# Altium PCB DAC_Sources_REV2.PcbDoc (part 8 of 9)
Units mil, origin at the board's own origin, x right, y up, seen from the top; angles counter-clockwise.
Board outline 10905.51 x 5393.7 mil, 8 copper layers (Top Layer, GND_02, SIG_03, PWR_04, PWR_05, SIG_06, GND_07, Bottom Layer), stack 65.69 mil thick; 663 components, 464 nets, 2338 pads, 2140 vias.
Unrouted connection lines stored in the file: 515.
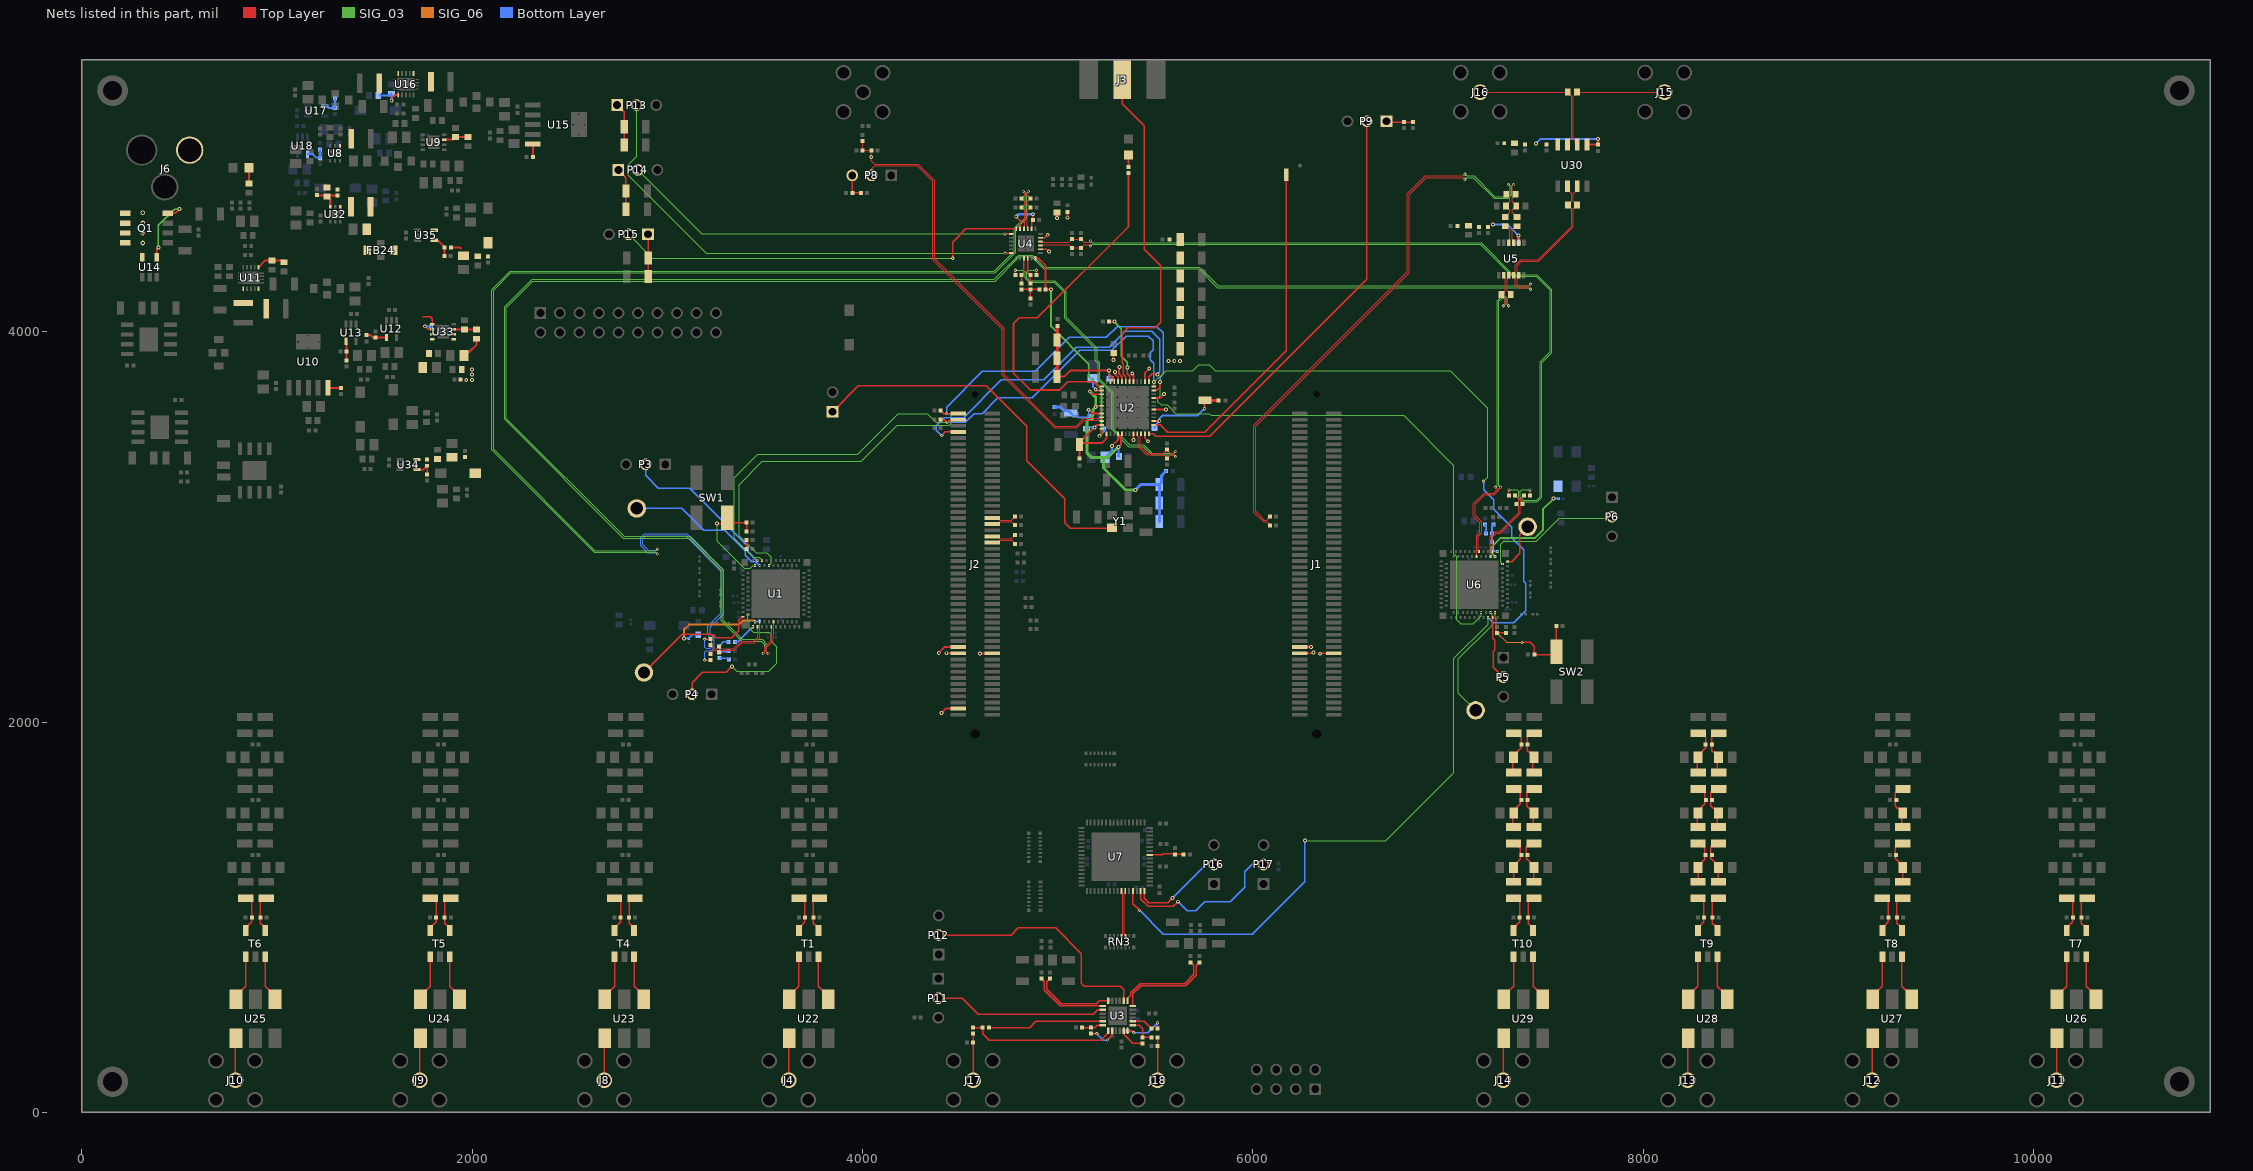
[diagram p14: the nets of this part, all layers, seen from the top]

## Via types
v1: diameter 16, hole 8, Top Layer to Bottom Layer, tented both sides, 1452 vias
v2: diameter 20, hole 10, Top Layer to Bottom Layer, tented both sides, 509 vias
v3: diameter 10, hole 6, Top Layer to Bottom Layer, tented both sides, 65 vias
v4: diameter 23.62, hole 11.81, Top Layer to Bottom Layer, tented top, 59 vias
v5: diameter 24, hole 12, Top Layer to Bottom Layer, tented top, 34 vias
v6: diameter 24, hole 12, Top Layer to Bottom Layer, tented both sides, 15 vias
v7: diameter 23.62, hole 11.81, Top Layer to Bottom Layer, tented both sides, 4 vias
v8: diameter 78.74, hole 39.37, Top Layer to Bottom Layer, tented both sides, 2 vias

## Nets (pads, with @x,y where several pads share a name; then routed paths per layer and width w, separated by ;. In a path a pad name is that pad's centre, name@x,y a point inside that pad or via, vN(x,y) a via of type N, cw(c..) or ccw(c..) an arc to the next point about the centre after c; other vN are vias at no path point) (continued)
NetC179_2: C179.2 C182.2 L51.2 L52.1 | length 236.8
  Top Layer w7.5: L52.1@9325.83,1462 9325.83,1534.57 9325.39,1535 9325.39,1540.91 9306.51,1559.79 9303.2,1559.79 9292.32,1570.67 9292.32,1641.75 9308.57,1658 L51.2@9326.83,1658
NetC180_2: C180.2 C183.2 L52.2 L53.1 | length 236.5
  Top Layer w7.5: L52.2@9325.83,1378 9308.18,1378 9291.93,1361.75 9291.93,1302.17 9311.51,1282.59 9311.51,1273.89 C183.2@9330.39,1255 9330.39,1182.43 L53.1@9330.83,1182
NetC184_2: C184.2 C187.1 L54.1 L55.2 | length 244.4
  Top Layer w7.5: C184.2@8276.38,1820 8276.94,1819.43 L55.2@8276.94,1742 ; C184.2@8281.38,1820 8300.27,1838.89 8300.27,1847.51 8320.43,1867.68 8320.43,1921.3 8317.43,1924.3 8317.43,1926.75 8301.18,1943 L54.1@8282.18,1943
NetC185_2: C185.2 C188.1 L55.1 L56.2 | length 239.9
  Top Layer w7.5: L56.2@8275.94,1462 8276.81,1462.87 8276.81,1535 8295.7,1553.89 8295.7,1562.23 8315.94,1582.48 8315.94,1635.24 8312.19,1638.99 8312.19,1641.75 8295.94,1658 L55.1@8276.94,1658
NetC186_2: C186.2 C189.1 L56.1 L57.2 | length 237.3
  Top Layer w7.5: L56.1@8275.94,1378 8294.94,1378 8311.19,1361.75 8311.19,1358.88 8315.55,1354.53 8315.55,1320 8315.55,1297.83 8300.27,1282.55 8300.27,1273.89 C186.2@8281.38,1255 L57.2@8281.38,1182.43
NetC187_2: C187.2 C190.2 L58.2 L59.1 | length 244.7
  Top Layer w7.5: C190.2@8380.51,1820 8380.51,1743.43 L59.1@8381.94,1742 ; C190.2@8385.51,1820 8385.51,1825.91 8366.62,1844.79 8360.72,1844.79 8351.93,1853.58 C187.2@8351.93,1885 8351.93,1922.36 8351.93,1926.75 8368.18,1943 L58.2@8387.18,1943
NetC188_2: C188.2 C191.2 L59.2 L60.1 | length 236.8
  Top Layer w7.5: L60.1@8380.94,1462 8380.94,1534.57 8380.51,1535 8380.51,1540.91 8361.62,1559.79 8358.32,1559.79 8347.44,1570.67 8347.44,1641.75 8363.69,1658 L59.2@8381.94,1658
NetC189_2: C189.2 C192.2 L60.2 L61.1 | length 235.9
  Top Layer w7.5: L60.2@8380.94,1378 8363.3,1378 8347.05,1361.75 8347.05,1302.17 8366.62,1282.59 8366.62,1273.89 C192.2@8385.51,1255 L61.1@8385.51,1182.43
NetC193_2: C193.2 C196.1 L62.1 L63.2 | length 244.4
  Top Layer w7.5: C193.2@7331.5,1820 7332.06,1819.43 L63.2@7332.06,1742 ; C193.2@7336.5,1820 7355.38,1838.89 7355.38,1847.51 7375.55,1867.68 7375.55,1921.3 7372.55,1924.3 7372.55,1926.75 7356.3,1943 L62.1@7337.3,1943
NetC194_2: C194.2 C197.1 L63.1 L64.2 | length 239.9
  Top Layer w7.5: L64.2@7331.06,1462 7331.93,1462.87 7331.93,1535 7350.82,1553.89 7350.82,1562.23 7371.06,1582.48 7371.06,1635.24 7367.31,1638.99 7367.31,1641.75 7351.06,1658 L63.1@7332.06,1658
NetC195_2: C195.2 C198.1 L64.1 L65.2 | length 237.9
  Top Layer w7.5: L64.1@7331.06,1378 7350.06,1378 7366.31,1361.75 7366.31,1358.88 7370.67,1354.53 7370.67,1320 7370.67,1297.83 7355.38,1282.55 7355.38,1273.89 C195.2@7336.5,1255 7336.5,1182.43 L65.2@7336.06,1182
NetC196_2: C196.2 C199.2 L66.2 L67.1 | length 244.7
  Top Layer w7.5: C199.2@7435.63,1820 7435.63,1743.43 L67.1@7437.06,1742 ; C199.2@7440.63,1820 7440.63,1825.91 7421.74,1844.79 7415.84,1844.79 7407.05,1853.58 C196.2@7407.05,1885 7407.05,1922.36 7407.05,1926.75 7423.3,1943 L66.2@7442.3,1943
NetC197_2: C197.2 C200.2 L67.2 L68.1 | length 236.8
  Top Layer w7.5: L68.1@7436.06,1462 7436.06,1534.57 7435.63,1535 7435.63,1540.91 7416.74,1559.79 7413.43,1559.79 7402.56,1570.67 7402.56,1641.75 7418.81,1658 L67.2@7437.06,1658
NetC198_2: C198.2 C201.2 L68.2 L69.1 | length 236.5
  Top Layer w7.5: L68.2@7436.06,1378 7418.42,1378 7402.17,1361.75 7402.17,1302.17 7421.74,1282.59 7421.74,1273.89 C201.2@7440.63,1255 7440.63,1182.43 L69.1@7441.06,1182
NetC210_1: C210.1 R70.1 SW1.2 U1.B30 | length 567
  Top Layer w7.5: v2(3254.72,3017.32) 3277.66,3017.32 SW1.2@3307.09,3046.75 3331.4,3022.44 R70.1@3405.91,3022.44 C210.1@3405.91,2977.56
  SIG_03 w6: v2(3254.72,3017.32) 3254.72,2927.17 3393.7,2788.19 3424.02,2788.19 3437.72,2801.89 v3(3450,2801.89)
NetC212_1: C212.1 R73.2 | length 49.2
  Bottom Layer w7.5: R73.2@3268.5,2327.95 3308.27,2327.95 C212.1@3314.96,2321.26
NetC213_1: C213.1 R73.1 R74.2 | length 135.6
  Bottom Layer w7.5: C213.1@3314.17,2366.14 C213.1@3314.57,2365.75 3308.27,2359.45 R73.1@3268.5,2359.45 3268.5,2392.52 3287.01,2411.02 R74.2@3314.17,2411.02
NetC214_1: C214.1 R75.1 SW2.2 U6.B30 | length 621.8
  Top Layer w7.5: v1(7378.74,2408.66) 7422.44,2408.66 7442.52,2388.58 R75.1@7442.52,2346.46 7542.13,2346.46 SW2.2@7556.69,2361.02 7555.51,2362.2 C214.1@7555.51,2492.52
  SIG_06 w6: v3(7241.34,2561.02) 7241.34,2531.5 7248.43,2524.41 7248.43,2460.24 7300,2408.66 v1(7378.74,2408.66)
NetC216_1: C216.1 R78.2 | length 46.7
  Bottom Layer w10: C216.1@7189.76,3012.2 7194.09,3007.87 R78.2@7194.09,2967.32
NetC217_1: C217.1 R78.1 R79.2 | length 93.6
  Bottom Layer w10: R79.2@7225.2,2922.05 7225.2,2966.93 R78.1@7225.59,2967.32 7225.59,3004.33 C217.1@7233.46,3012.2
NetC264_1: C264.1 R147.1 U7.57 | length 176.7
  Top Layer w7.5: U7.57@5472.24,1320.31 5536.46,1320.31 5540.94,1324.8 5599.61,1324.8 C264.1@5601.57,1322.83 5601.77,1322.64 5645.87,1322.64 R147.1@5646.06,1322.44
NetC267_2: C267.2 U2.4 | length 147.8
  Top Layer w9.45: v2(5278.35,3414.96) 5309.84,3446.46 U2.4@5309.84,3477.56
  Bottom Layer w10: C267.2@5242.91,3357.48 5278.35,3392.91 v2(5278.35,3414.96)
NetC268_2: C268.2 U2.38 | length 95.4
  Top Layer w9.45: v2(5195.28,3704.72) 5198.13,3704.72 5202.86,3700 U2.38@5225.2,3700
  Bottom Layer w9.45: C268.2@5180.71,3762.2 5180.71,3719.29 v2(5195.28,3704.72)
NetC274_2: C274.2 R91.2 U4.3 | length 134.7
  Top Layer w7.5: R91.2@4814.96,4248.03 C274.2@4814.96,4291.34 4827.56,4303.94 U4.3@4827.56,4377.56
NetC275_2: C275.2 R91.1 R92.1 R93.2 | length 136.8
  Top Layer w7.5: R91.1@4814.96,4216.54 4815.35,4216.93 R92.1@4906.3,4216.93 ; C275.2@4859.84,4171.26 R93.2@4859.84,4216.54
NetC276_2: C276.2 R93.1 U4.4 | length 134.7
  Top Layer w7.5: U4.4@4847.24,4377.56 4847.24,4303.94 C276.2@4859.84,4291.34 R93.1@4859.84,4248.03
NetC281_1: C281.1 U10.5 | length 66.1
  Top Layer w10: U10.5@1260.83,3713.39 1261.22,3712.99 C281.1@1326.77,3712.99
NetC282_1: C282.1 U15.5 | length 65.7
  Top Layer w10: C282.1@2311.02,4896.46 U15.5@2311.02,4962.2
NetC290_2: C290.2 C291.1 C294.2 FB26.1 R106.2 U34.5
NetC295_1: C295.1 C299.2 FB24.1 L70.2 R107.2
NetC295_2: C295.2 R107.1 R108.2 U32.3 | length 165.8
  Top Layer w12: R108.2@1204.33,4701.57 1207.48,4698.43 R107.1@1309.06,4698.43 ; C295.2@1256.3,4692.91 1272.83,4676.38 U32.3@1272.83,4639.96
NetC302_2: C302.2 C304.2 FB24.3 U33.5 U33.7@1796.06,3986.81 U33.8 | length 83
  Top Layer w7.5: 1745.67,4077.56 1784.25,4077.56 1796.06,4065.75 U33.5@1796.06,4037.99
NetC305_1: C305.1 U33.6 | length 74.3
  Top Layer w7.5: v2(1759.06,4028.35) 1775,4012.4 U33.6@1796.06,4012.4
  Bottom Layer w7.5: v2(1759.06,4028.35) v2@1759.84,4027.56
  Bottom Layer w10: v2@1759.84,4027.56 C305.1@1789.37,4027.56
NetC326_2: C326.2 C327.1 C330.2 FB27.1 R124.2 U35.5 | length 54.3
  Top Layer w10: R124.2@1890.55,4432.68 1937.01,4432.68 1942.52,4427.17
NetD1_2: D1.2 R31.2 | length 61.6
  Top Layer w7.5: D1.2@5362.6,4905.91 D1.2@5362.99,4905.51
  Top Layer w10: R31.2@5362.99,4844.49 D1.2@5362.99,4905.51
NetD2_2: D2.2 R34.1 | length 81
  Top Layer w10: D2.2@856.69,4840.94 857.48,4840.16 R34.1@857.48,4760.24
NetJ2_35: J2.35 R135.2 | length 130.1
  Top Layer w5: J2.35@4664.37,3045.94 4693.9,3045.94 4701.24,3038.6 4701.24,3037.74 4704.28,3034.7 4762.65,3034.7 R135.2@4781.5,3053.54
NetJ2_37: J2.37 R150.2 | length 129.1
  Top Layer w5: J2.37@4664.37,3014.45 4693.9,3014.45 4701.24,3021.79 4701.24,3022.5 4704.44,3025.7 4764.85,3025.7 R150.2@4781.5,3009.06
NetJ2_41: J2.41 R136.2 | length 129.8
  Top Layer w5: J2.41@4664.37,2951.46 4693.9,2951.46 4701.24,2944.11 4701.24,2943.25 4704.28,2940.21 4763.44,2940.21 R136.2@4781.5,2958.27
NetJ2_43: J2.43 R137.2 | length 129.4
  Top Layer w5: J2.43@4664.37,2919.96 4693.9,2919.96 4701.24,2927.3 4701.24,2928.01 4704.44,2931.21 4764.07,2931.21 R137.2@4781.5,2913.78
NetJ3_1: J3.1 U2.31 | length 1800.9
  Top Layer w7.5: J3.1@5331.44,5291.73 5331.44,5168.96 5444.49,5055.91 5444.49,4424.02 5529.13,4339.37 5529.13,4048.03 5500.79,4019.68 5358.66,4019.68 5331.44,3992.46 5331.44,3843.37 5337.01,3837.8 5337.01,3782.68 5349.21,3770.47 U2.31@5349.21,3745.28
NetJ4_1: J4.1 U22.1 | length 216.1
  Top Layer w7.5: J4.1@3622.05,165 3622.05,377.4 U22.1@3624.65,380
NetJ6_3: J6.3 Q1.5-6-7-8 U14.5
  other v7: 312.52,4454.96 312.52,4506.46 312.52,4557.95 312.52,4609.45
NetJ8_1: J8.1 U23.1 | length 216.1
  Top Layer w7.5: J8.1@2677.17,165 2677.17,377.4 U23.1@2679.76,380
NetJ9_1: J9.1 U24.1 | length 216.1
  Top Layer w7.5: J9.1@1732.28,165 1732.28,377.4 U24.1@1734.88,380
NetJ10_1: J10.1 U25.1 | length 216.1
  Top Layer w7.5: J10.1@787.4,165 787.4,377.4 U25.1@790,380
NetJ11_1: J11.1 U26.1 | length 216.1
  Top Layer w7.5: J11.1@10118.11,165 10118.11,377.4 U26.1@10120.71,380
NetJ12_1: J12.1 U27.1 | length 216.1
  Top Layer w7.5: J12.1@9173.23,165 9173.23,377.4 U27.1@9175.83,380
NetJ13_1: J13.1 U28.1 | length 216.1
  Top Layer w7.5: J13.1@8228.35,165 8228.35,377.4 U28.1@8230.94,380
NetJ14_1: J14.1 U29.1 | length 216.1
  Top Layer w7.5: J14.1@7283.46,165 7283.46,377.4 U29.1@7286.06,380
NetJ17_1: J17.1 R49.1 R80.1 | length 239.1
  Top Layer w7.5: R80.1@4566.54,403.94 4566.73,403.74 4566.73,165.2 J17.1@4566.93,165
NetJ18_1: J18.1 R133.1 R146.1 | length 220.4
  Top Layer w7.5: J18.1@5511.81,165 R133.1@5511.81,385.43
NetL1_1: L1.1 U8.1
NetL2_1: L2.1 U11.6
NetL3_1: L3.1 U11.10
NetL4_1: L4.1 U16.6
NetL5_1: L5.1 U16.10
NetL9_1: L9.1 R1.2 T1.2 | length 171.3
  Top Layer w7.5: T1.2@3674.65,932.52 3685.86,943.73 3685.86,957.51 3705.39,977.05 R1.2@3705.39,1000 L9.1@3705.39,1091.06
NetL13_2: L13.2 R7.1 T1.1 | length 197.7
  Top Layer w7.5: T1.1@3774.65,932.52 3774.65,945.12 3763.43,956.33 3762.96,956.33 3748.9,970.39 R7.1@3748.9,1000 3748.9,1081.75 3765.15,1098 L13.2@3779.65,1098
NetL17_1: L17.1 R10.2 T4.2 | length 171.3
  Top Layer w7.5: T4.2@2729.76,932.52 2740.97,943.73 2740.97,957.51 2760.51,977.05 R10.2@2760.51,1000 L17.1@2760.51,1091.06
NetL21_2: L21.2 R11.1 T4.1 | length 197.7
  Top Layer w7.5: T4.1@2829.76,932.52 2829.76,945.12 2818.55,956.33 2818.08,956.33 2804.02,970.39 R11.1@2804.02,1000 2804.02,1081.75 2820.27,1098 L21.2@2834.76,1098
NetL25_1: L25.1 R12.2 T5.2 | length 171.3
  Top Layer w7.5: T5.2@1784.88,932.52 1796.09,943.73 1796.09,957.51 1815.63,977.05 R12.2@1815.63,1000 L25.1@1815.63,1091.06
NetL29_2: L29.2 R59.1 T5.1 | length 197.7
  Top Layer w7.5: T5.1@1884.88,932.52 1884.88,945.12 1873.67,956.33 1873.2,956.33 1859.13,970.39 R59.1@1859.13,1000 1859.13,1081.75 1875.38,1098 L29.2@1889.88,1098
NetL33_1: L33.1 R60.2 T6.2 | length 171.3
  Top Layer w7.5: T6.2@840,932.52 851.21,943.73 851.21,957.51 870.75,977.05 R60.2@870.75,1000 L33.1@870.75,1091.06
NetL37_2: L37.2 R61.1 T6.1 | length 197.7
  Top Layer w7.5: T6.1@940,932.52 940,945.12 928.79,956.33 928.32,956.33 914.25,970.39 R61.1@914.25,1000 914.25,1081.75 930.5,1098 L37.2@945,1098
NetL41_1: L41.1 R62.2 T7.2 | length 171.3
  Top Layer w7.5: T7.2@10170.71,932.52 10181.92,943.73 10181.92,957.51 10201.46,977.05 R62.2@10201.46,1000 L41.1@10201.46,1091.06
NetL45_2: L45.2 R63.1 T7.1 | length 197.7
  Top Layer w7.5: T7.1@10270.71,932.52 10270.71,945.12 10259.5,956.33 10259.03,956.33 10244.96,970.39 R63.1@10244.96,1000 10244.96,1081.75 10261.21,1098 L45.2@10275.71,1098
NetL49_1: L49.1 R64.2 T8.2 | length 171.3
  Top Layer w7.5: T8.2@9225.83,932.52 9237.04,943.73 9237.04,957.51 9256.57,977.05 R64.2@9256.57,1000 L49.1@9256.57,1091.06
NetL53_2: L53.2 R65.1 T8.1 | length 197.7
  Top Layer w7.5: T8.1@9325.83,932.52 9325.83,945.12 9314.62,956.33 9314.14,956.33 9300.08,970.39 R65.1@9300.08,1000 9300.08,1081.75 9316.33,1098 L53.2@9330.83,1098
NetL57_1: L57.1 R66.2 T9.2 | length 171.3
  Top Layer w7.5: T9.2@8280.94,932.52 8292.16,943.73 8292.16,957.51 8311.69,977.05 R66.2@8311.69,1000 L57.1@8311.69,1091.06
NetL61_2: L61.2 R67.1 T9.1 | length 197.7
  Top Layer w7.5: T9.1@8380.94,932.52 8380.94,945.12 8369.73,956.33 8369.26,956.33 8355.2,970.39 R67.1@8355.2,1000 8355.2,1081.75 8371.45,1098 L61.2@8385.94,1098
NetL65_1: L65.1 R68.2 T10.2 | length 171.3
  Top Layer w7.5: T10.2@7336.06,932.52 7347.27,943.73 7347.27,957.51 7366.81,977.05 R68.2@7366.81,1000 L65.1@7366.81,1091.06
NetL69_2: L69.2 R69.1 T10.1 | length 183.2
  Top Layer w7.5: L69.2@7426.57,1098 7410.32,1081.75 R69.1@7410.32,1000 7410.32,970.39 7424.38,956.33 7424.85,956.33 7436.06,945.12 T10.1@7436.06,932.52
NetL70_1: L70.1 U32.1
NetP2_1: P2.1 Y1.1 | length 1963.5
  Top Layer w7.5: P2.1@3846.85,3590.94 3978.74,3722.83 4633.86,3722.83 4840.55,3516.14 4840.55,3340.55 5036.61,3144.49 5036.61,3022.05 5064.57,2994.09 5276.18,2994.09 Y1.1@5278.35,2996.26
NetP3_2: P3.2 U1.A32 | length 824.4
  Bottom Layer w7.5: P3.2@2888.98,3320.87 2888.98,3264.96 2954.72,3199.21 3114.96,3199.21 3414.96,2899.21 3414.96,2872.57 3456.74,2830.79 3461.33,2830.79 v3(3461.81,2830.31)
NetP4_2: P4.2 U1.B40 | length 912.7
  Top Layer w7.5: P4.2@3127.17,2142.91 3127.17,2203.15 3179.92,2255.91 3301.18,2255.91 v2(3331.1,2285.83)
  SIG_03 w6: v2(3331.1,2285.83) 3355.42,2261.51 3518.76,2261.51 3559.84,2302.6 3559.84,2387.4 3533.07,2414.17 3533.07,2449.89 3523.12,2459.84 3440.94,2459.84 3420.08,2480.71 3420.08,2517.32 3412.6,2524.8 v3(3412.6,2551.89)
NetP5_2: P5.2 U6.A32 | length 333.1
  Top Layer w7.5: U6.A32@7229.53,2535.43 7229.53,2429.13 7239.37,2419.29 7239.37,2369.29 7232.28,2362.2 7232.28,2282.28 P5.2@7283.86,2230.71
NetP6_2: P6.2 U6.B40 | length 732.7
  SIG_03 w6: v3(7278.74,2811.02) 7270.47,2819.29 7270.47,2911.81 7285.43,2926.77 7452.76,2926.77 7570.87,3044.88 7832.68,3044.88 P6.2@7840.55,3052.76
NetP8_3: P8.3 R28.1 R29.2 | length 133.9
  Top Layer w7.5: P8.3@3947.64,4801.57 R28.1@3947.64,4712.2 R29.2@3992.13,4712.2
NetP9_1: P9.1 R84.1 R85.2 | length 136.8
  Top Layer w7.5: P9.1@6685.04,5079.13 6689.37,5074.8 R84.1@6774.02,5074.8 R85.2@6820.08,5074.8
NetP11_2: P11.2 U3.20 | length 887.3
  Top Layer w7.5: P11.2@4388.98,585.83 4511.42,585.83 4594.49,502.76 5182.68,502.76 5205.91,525.98 U3.20@5232.28,525.98
NetP12_2: P12.2 U3.14 | length 1240.9
  Top Layer w7.5: P12.2@4390.55,909.06 4761.02,909.06 4798.03,946.06 4990.16,946.06 5121.65,814.57 5121.65,662.2 5136.22,647.64 5322.05,647.64 5338.58,631.1 U3.14@5338.58,573.23
NetP13_1: P13.1 R88.1 R96.2 | length 220.1
  Top Layer w7.5: P13.1@2742.91,5161.81 2779.13,5125.59 R96.2@2779.13,5050.79 R88.1@2779.13,4956.69
NetP14_1: P14.1 R94.1 R97.2 | length 217.7
  Top Layer w7.5: P14.1@2749.21,4829.53 2776.21,4802.53 2788.19,4790.55 R97.2@2788.19,4721.65 R94.1@2788.19,4627.95
NetP15_1: P15.1 R95.1 R98.2 | length 216.9
  Top Layer w7.5: P15.1@2901.18,4499.61 2901.18,4378.35 R95.1@2901.97,4377.56 R98.2@2901.97,4283.07
NetP16_2: P16.2 U7.48 | length 484.3
  Top Layer w7.5: U7.48@5444.88,1135.47 5444.88,1097.24 5466.93,1075.2 5564.17,1075.2 v2(5588.58,1099.61)
  Bottom Layer w7.5: v2(5588.58,1099.61) 5756.15,1267.18 5797.1,1267.18 P16.2@5800.79,1270.87
NetP17_2: P17.2 U7.47 | length 862.1
  Top Layer w7.5: U7.47@5425.2,1135.47 5425.2,1093.7 5463.39,1055.51 5592.91,1055.51 v2(5617.32,1079.92)
  Bottom Layer w7.5: v2(5617.32,1079.92) 5664.17,1033.07 5708.19,1033.07 5753.86,1078.74 5884.25,1078.74 5959.84,1154.33 5959.84,1233.86 5996.85,1270.87 P17.2@6055.12,1270.87
NetQ1_4: Q1.4@439.32,4606.89 U14.4 | length 378.8
  Top Layer w7.5: U14.4@384.65,4383.07 384.65,4425.59 v2(392.13,4433.07) ; Q1.4@439.32,4606.89 478.94,4606.89 v2(500.79,4628.74)
  SIG_03 w7.5: v2(392.13,4433.07) 392.13,4544.88 475.98,4628.74 v2(500.79,4628.74)
NetR9_1: R9.1 U3.18 | length 415.5
  Top Layer w7.5: R9.1@4961.42,686.22 4944.09,668.9 4944.09,630.83 5017.76,557.17 5196.85,557.17 5212.91,573.23 U3.18@5259.84,573.23
NetR31_1: R31.1 U2.37 | length 1837.5
  Top Layer w9.45: U2.37@5225.2,3719.68 5212.95,3719.68 5188.15,3744.49 5051.57,3744.49 5009.84,3702.76 4859.45,3702.76 4773.23,3788.98 4773.23,4041.34 4804.33,4072.44 4896.46,4072.44 5362.99,4538.98 R31.1@5362.99,4812.99
NetR33_1: R33.1 R35.2 U9.3 | length 127.4
  Top Layer w10: U9.3@1857.28,4984.33 1902.05,4984.33 R35.2@1915.35,4997.64 R33.1@1979.13,4997.64
NetR40_1: R40.1 R42.2 U12.4 | length 106.2
  Top Layer w10: R40.1@1459.84,3982.68 1479.92,3982.68 1491.73,3970.87 R42.2@1505.12,3970.87 1560.63,3970.87 U12.4@1561.02,3971.26
NetR41_2: R41.2 R105.1 U11.1 | length 143.3
  Top Layer w10: U11.1@905.91,4331.5 940.16,4365.75 R41.2@975.2,4365.75 R105.1@1035.04,4365.75
NetR43_1: R43.1 R44.2 U13.4 | length 99.3
  Top Layer w10: U13.4@1353.94,3951.57 1355.12,3950.39 R43.1@1355.12,3852.76
NetR46_1: R46.1 U3.19 | length 399.8
  Top Layer w7.5: R46.1@4916.54,686.22 4932.59,670.16 4932.59,626.07 5012.99,545.67 U3.19@5232.28,545.67
NetR48_1: R48.1 R50.1 U3.24 | length 111.4
  Top Layer w7.5: R48.1@5125.98,435.04 R50.1@5170.47,435.04 5189.76,435.04 5201.97,447.24 U3.24@5232.28,447.24
NetR50_2: R50.2 U3.2 | length 156.5
  Top Layer w7.5: R50.2@5170.47,403.54 5170.67,403.74 v1(5200.59,403.74) ; v1(5254.72,371.26) 5279.53,396.06 U3.2@5279.53,419.69
  Bottom Layer w7.5: v1(5200.59,403.74) 5233.07,371.26 v1(5254.72,371.26)
NetR54_1: R54.1 R56.2 U17.4 | length 110.5
  Bottom Layer w7.5: U17.4@1244.49,5157.87 U17.4@1255.32,5157.87
  Bottom Layer w10: U17.4@1244.49,5157.87 U17.4@1246.77,5160.15 ; U17.4@1255.32,5157.87 1266.34,5146.85 R54.1@1298.03,5146.85 1298.09,5146.91 R56.2@1298.15,5195.94 R56.2@1298.15,5195.94
NetR55_2: R55.2 R123.1 U16.1 | length 148.7
  Top Layer w10: v2(1587.8,5185.04) 1589.71,5186.95 1589.71,5198.37 1604.72,5213.39 U16.1@1621.46,5213.39
  Bottom Layer w10: R123.1@1528.7,5209.96 1574.72,5209.96 1584.84,5220.08 1587.8,5217.13 v2(1587.8,5185.04)
NetR57_1: R57.1 R58.2 U18.4 | length 118.7
  Bottom Layer w10: U18.4@1155.91,4910.24 1183.66,4910.24 1201.88,4892.02 1219.4,4892.02 R57.1@1221.26,4890.16 1221.06,4890.35 1221.06,4934.84 R58.2@1220.87,4935.04
NetR71_2: R71.2 R72.1 | length 45.7
  Top Layer w7.5: R71.2@3405.91,2887.4 R72.1@3405.91,2933.07
NetR74_1: R74.1 U1.A1 | length 124.8
  Bottom Layer w7.5: R74.1@3345.67,2411.02 3346.73,2412.09 3361.38,2412.09 v3(3438.19,2488.9)
NetR76_2: R76.2 R77.1 | length 44.9
  Top Layer w7.5: R76.2@7251.97,2457.09 R77.1@7296.85,2457.09
NetR79_1: R79.1 U6.A1 | length 34.8
  Bottom Layer w10: R79.1@7225.2,2890.55 7241.73,2874.02 v3(7253.15,2874.02)
NetR80_2: R80.2 R81.1 U3.1 | length 766.3
  Top Layer w7.5: R80.2@4566.54,435.43 4566.73,435.24 4615.55,435.24 4615.55,404.13 4650.39,369.29 5220.47,369.29 5257.69,406.51 5257.69,417.53 U3.1@5259.84,419.69
NetR81_2: R81.2 U3.23 | length 598.2
  Top Layer w7.5: R81.2@4647.24,435.04 4857.09,435.04 4888.98,466.93 U3.23@5232.28,466.93
NetR82_1: R82.1 U3.12 | length 498.9
  Top Layer w7.5: U3.12@5385.83,545.67 5385.83,607.87 5427.17,649.21 5655.91,649.21 5709.14,702.44 5709.14,752.84 R82.1@5725.98,769.69
NetR106_1: R106.1 R122.2 U34.4 | length 105.6
  Top Layer w7.5: U34.4@1716.93,3293.7 1749.61,3293.7 R106.1@1769.68,3313.78 R122.2@1769.68,3269.29
NetR109_1: R109.1 R110.2 U33.3 | length 117.3
  Top Layer w10: U33.3@1906.3,4012.4 2022.24,4012.4 R109.1@2023.23,4011.42
NetR124_1: R124.1 R125.2 U35.4 | length 112.6
  Top Layer w10: U35.4@1806.3,4469.29 1809.17,4466.42 1825.31,4466.42 R124.1@1859.06,4432.68 1858.86,4432.48 1858.86,4388.39 R125.2@1858.66,4388.19
NetR130_1: R130.1 U3.13 | length 477.7
  Top Layer w7.5: U3.13@5358.27,573.23 5358.27,584.06 5374.33,600.11 5374.33,612.64 5422.4,660.71 5651.14,660.71 5697.64,707.21 5697.64,753.54 R130.1@5681.5,769.69
NetR132_1: R132.1 R134.1 U3.6 | length 243.4
  Top Layer w7.5: U3.6@5358.27,419.69 5379.13,419.69 v1(5389.76,409.06) ; R134.1@5511.81,430.31 v1(5511.81,459.84)